# Altium PCB kunpeng_alpha.PcbDoc (part 1 of 2)
Units mm, origin at the board's own origin, x right, y up, seen from the top; angles counter-clockwise.
Board outline 84.46 x 100.59 mm, 2 copper layers (Top Layer, Bottom Layer); 103 components, 68 nets, 354 pads, 153 vias.
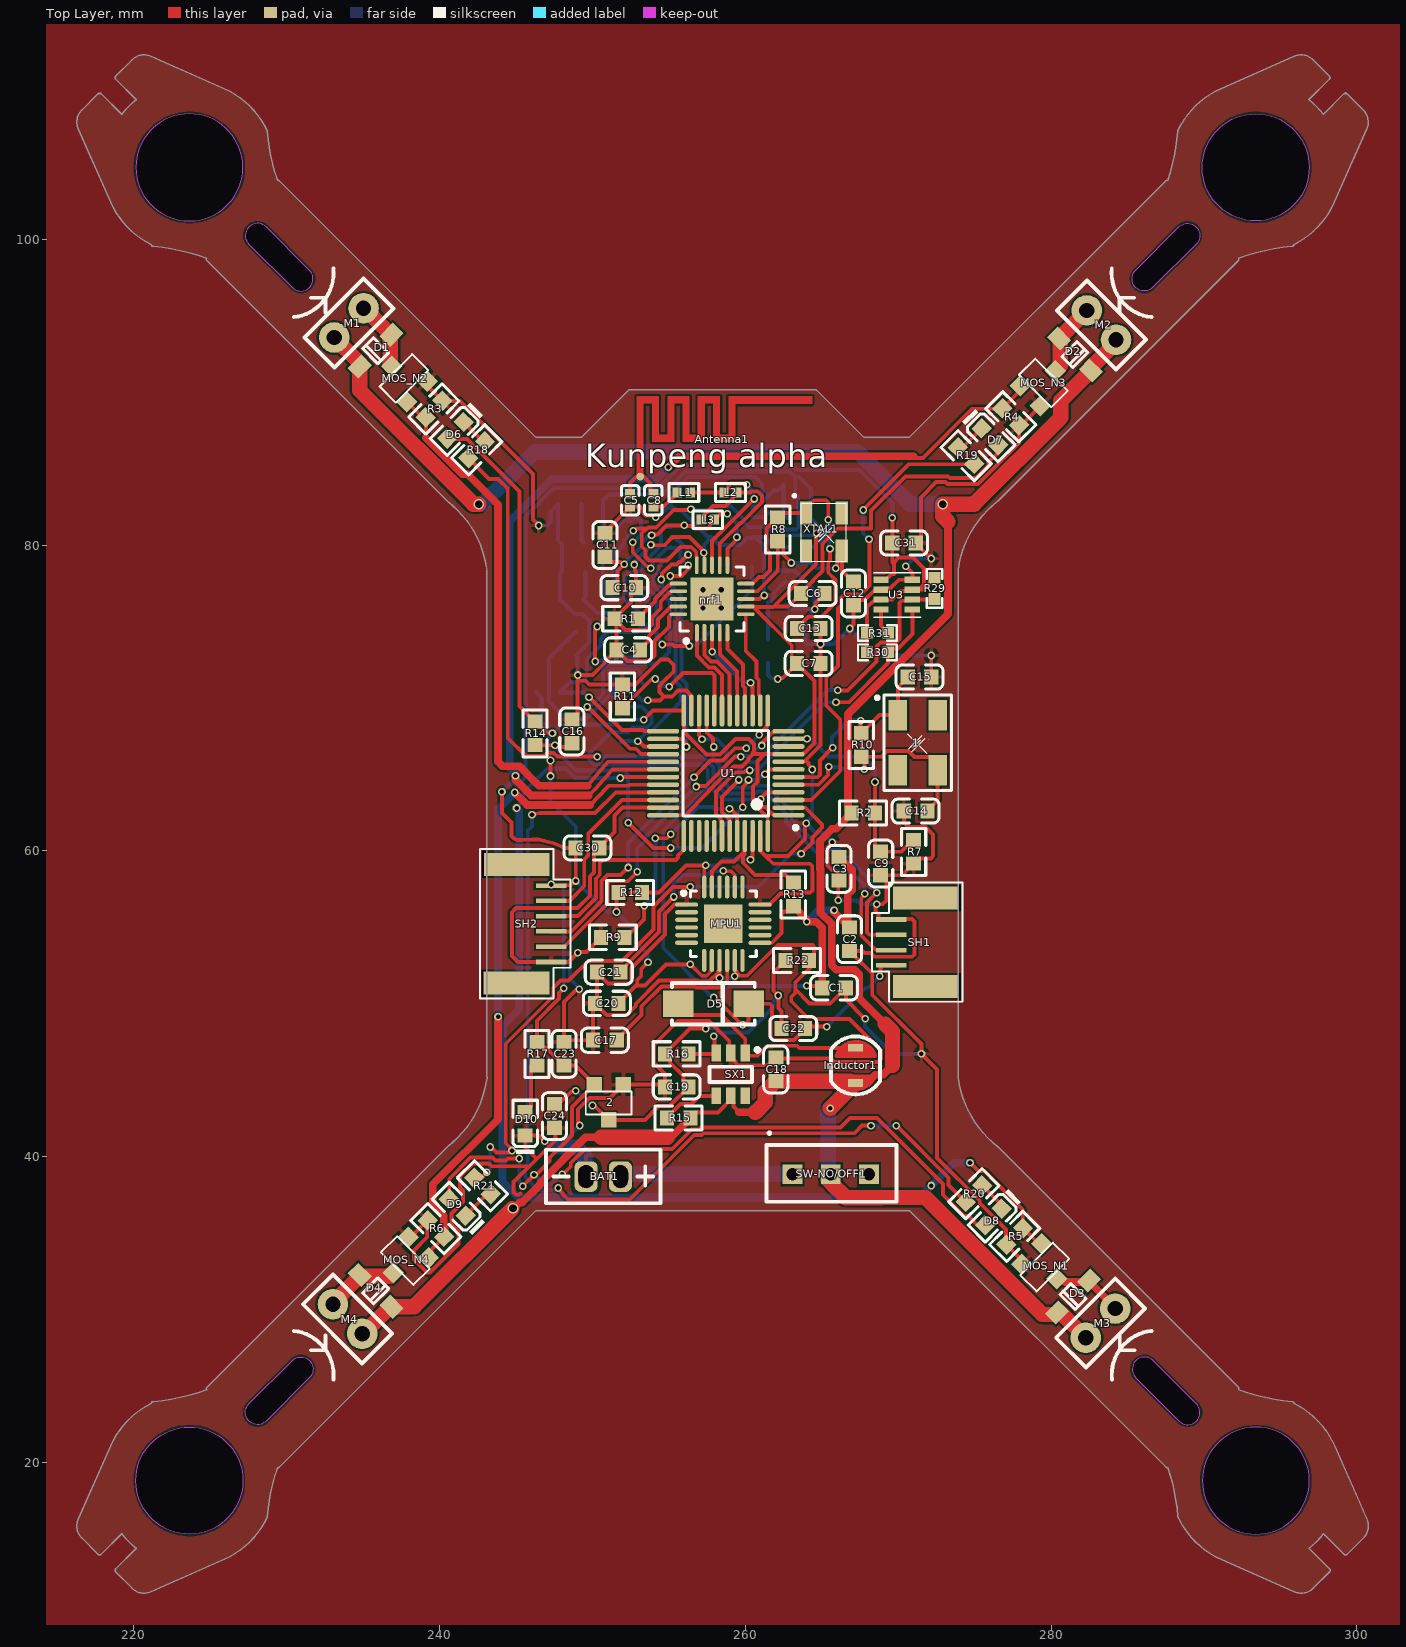
[diagram p0: Top Layer view]
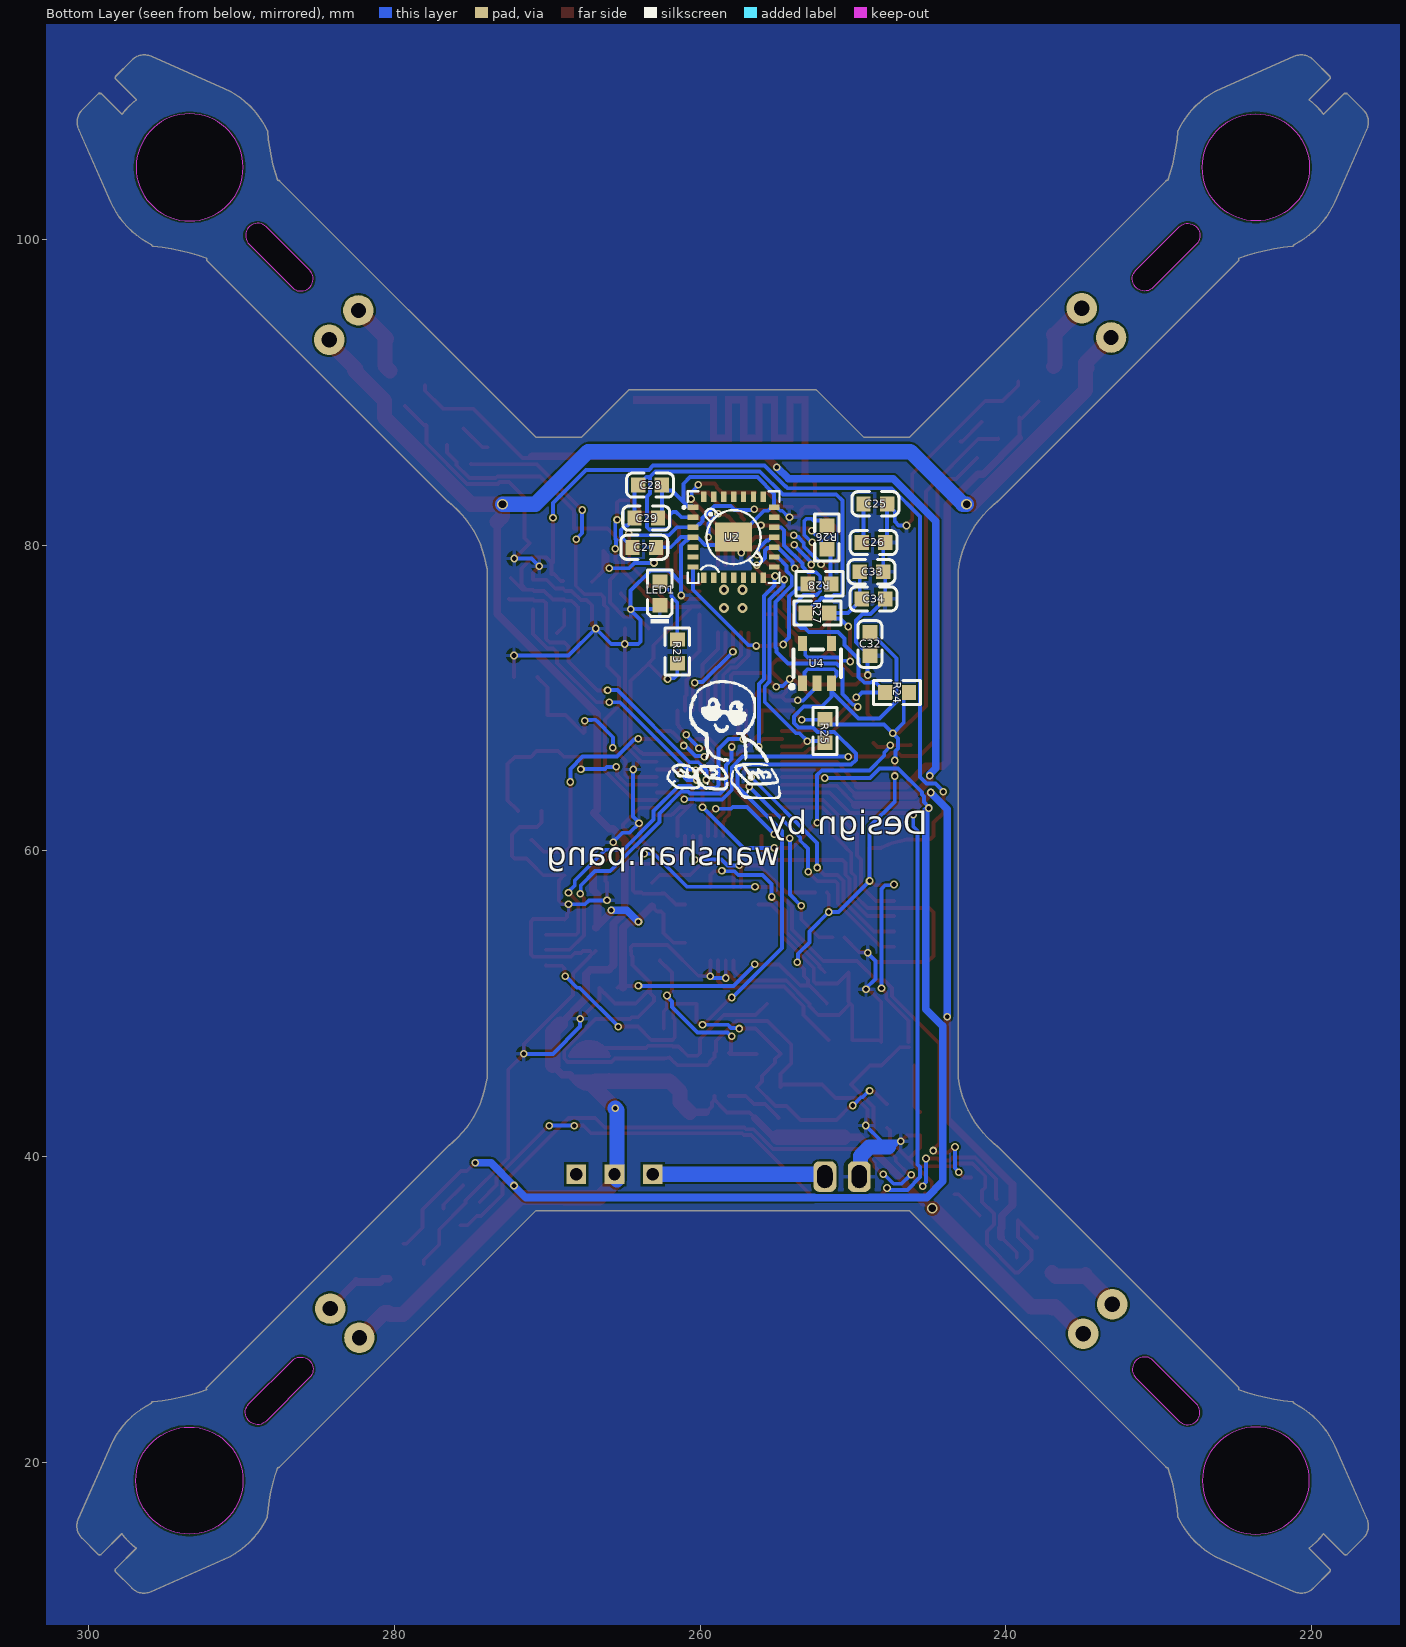
[diagram p1: Bottom Layer view, seen from below]
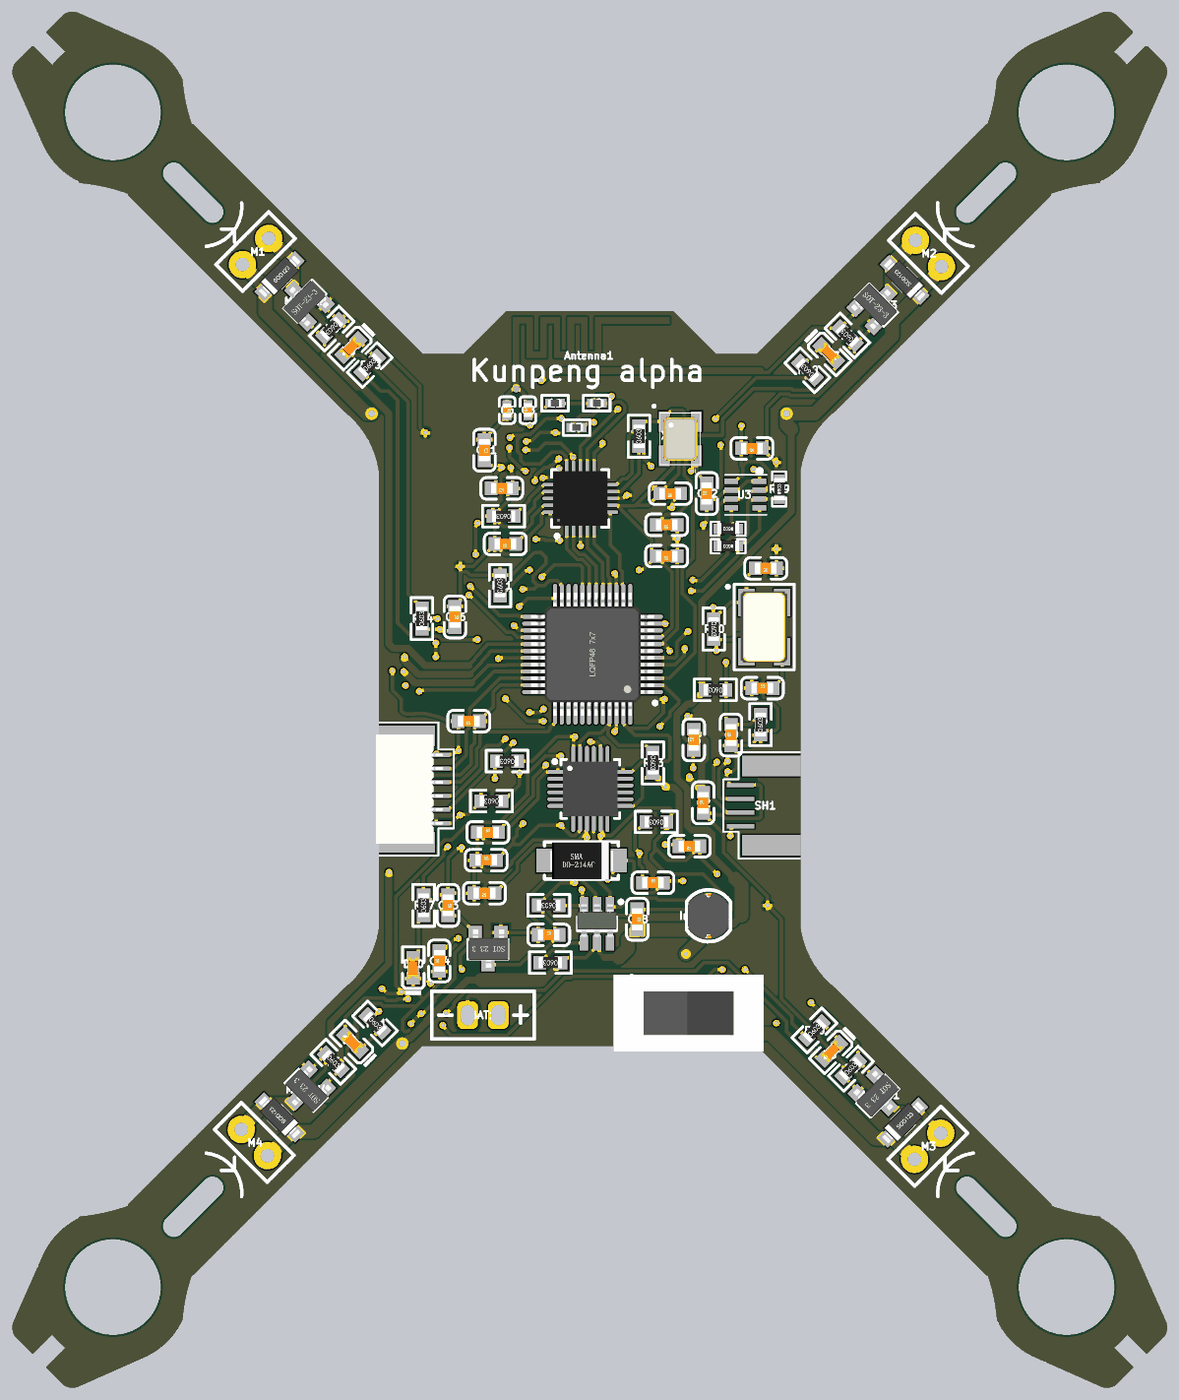
[diagram p3: 3D render of the assembled board from above, using the file's embedded part models]
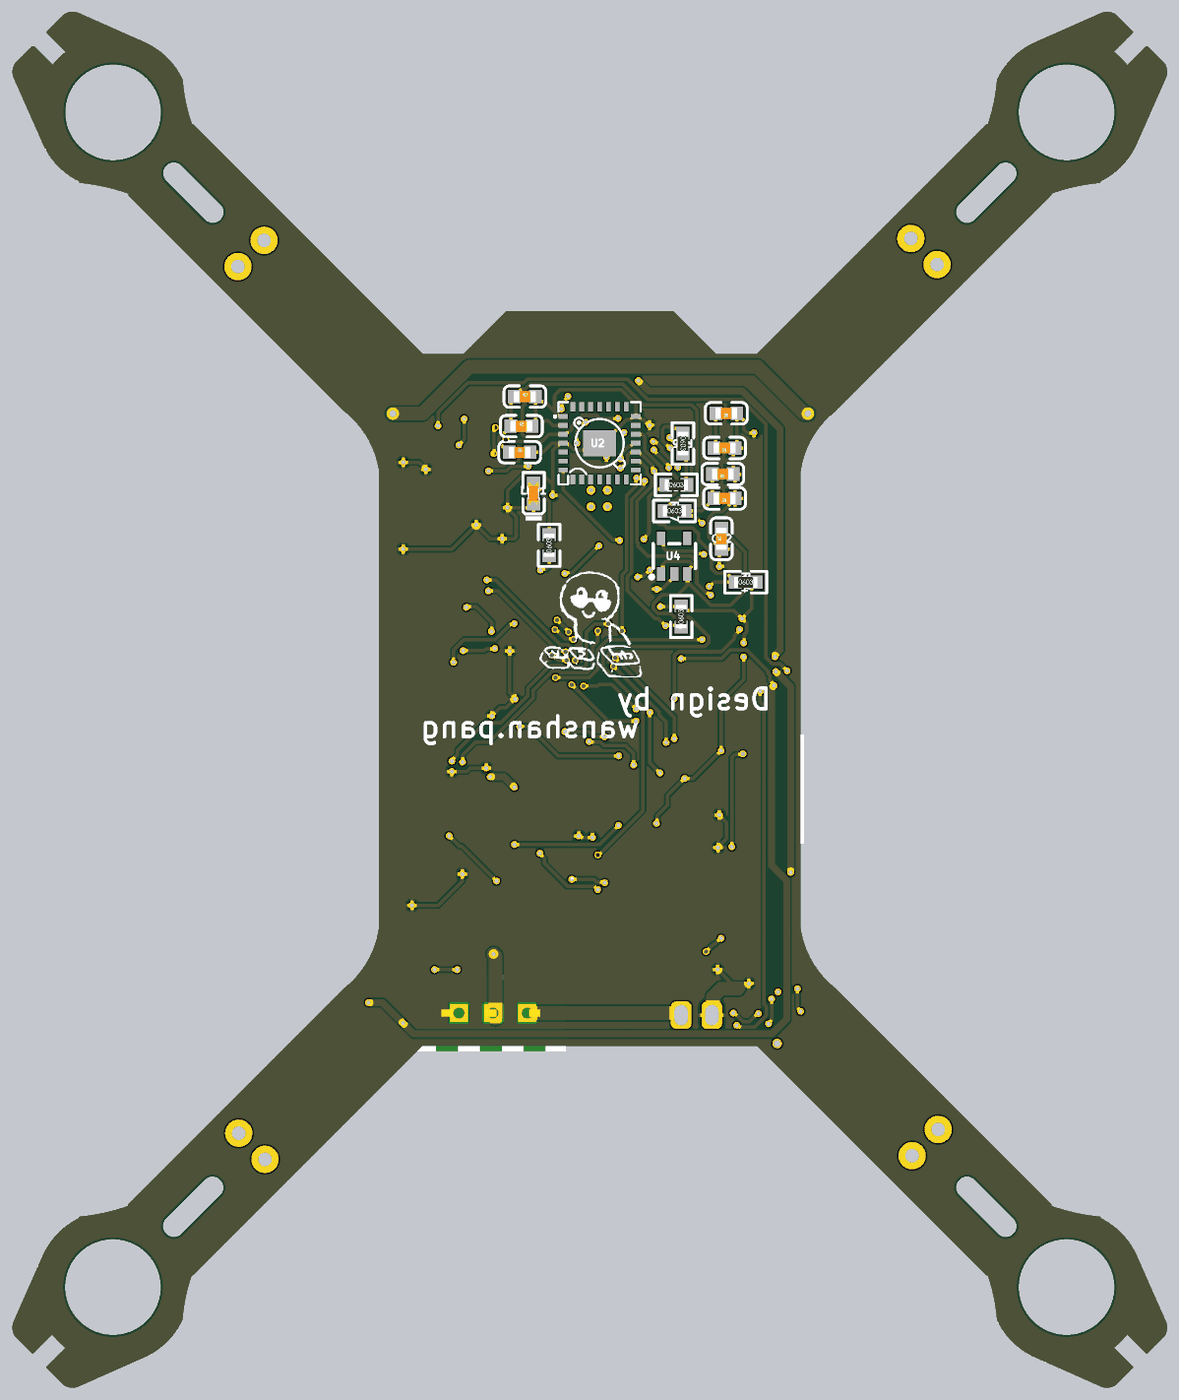
[diagram p4: 3D render of the assembled board from below, using the file's embedded part models]

## Layer stack, top to bottom
Top Solder: solder mask 0.0102, Solder Resist, Dk 3.5
Top Layer: signal copper 0.0356
Dielectric 1: dielectric 0.32, FR-4, Dk 4.8
Bottom Layer: signal copper 0.0356
Bottom Solder: solder mask 0.0102, Solder Resist, Dk 3.5

## Board outline
218.831,13.05 cw(c218.83,13.05) 218.83,13.05 220.183,14.402 cw(c223.658,18.828) 219.232,15.353 217.879,14.001 cw(c217.789,14.091) 217.698,14.001 216.628,15.071 ccw(c216.747,15.188) 216.63,15.07 216.628,15.071 cw(c217.425,15.869) 216.394,16.324 cw(c216.489,16.283) 216.395,16.325 218.512,21.106 cw(c218.631,21.055) 218.513,21.107 cw(c223.658,18.828) 221.167,23.875 cw(c221.294,23.868) 221.283,23.995 ccw(c219.976,38.035) 224.779,24.778 cw(c224.891,24.839) 224.801,24.929 240.527,40.655 cw(c240.617,40.565) 240.54,40.666 ccw(c236.347,46.055) 243.119,45.181 cw(c243.244,45.165) 243.12,45.188 cw(c243.245,45.213) 243.118,45.213 243.118,78.352 ccw(c236.347,77.47) 240.539,82.859 ccw(c240.535,82.854) 240.539,82.86 cw(c240.617,82.96) 240.527,82.87 224.801,98.596 cw(c224.891,98.686) 224.779,98.747 ccw(c219.975,85.49) 221.282,99.53 cw(c221.294,99.657) 221.167,99.65 cw(c223.658,104.696) 218.512,102.417 cw(c218.613,102.462) 218.512,102.419 216.394,107.2 cw(c216.511,107.251) 216.394,107.201 cw(c217.425,107.656) 216.628,108.453 cw(c216.733,108.348) 216.63,108.455 217.699,109.524 cw(c217.789,109.434) 217.879,109.524 ccw(c217.789,109.434) 217.698,109.524 217.879,109.524 219.231,108.171 cw(c223.658,104.696) 220.183,109.123 218.83,110.475 cw(c218.92,110.565) 218.83,110.656 219.901,111.726 cw(c220.698,110.929) 221.154,111.96 cw(c221.111,111.862) 221.156,111.959 225.937,109.842 cw(c225.909,109.779) 225.938,109.841 cw(c223.658,104.696) 228.742,107.108 cw(c228.627,107.053) 228.754,107.063 cw(c228.837,107.069) 228.754,107.063 ccw(c241.819,108.095) 229.421,103.847 cw(c229.453,103.723) 229.543,103.813 246.297,87.059 249.312,87.059 252.385,90.133 cw(c252.476,90.043) 252.476,90.17 264.576,90.17 cw(c264.576,90.043) 264.667,90.133 267.74,87.059 270.74,87.059 287.495,103.814 cw(c287.586,103.724) 287.618,103.847 ccw(c275.22,108.096) 288.285,107.063 ccw(c288.259,107.066) 288.285,107.064 288.285,107.063 cw(c288.412,107.054) 288.297,107.109 cw(c293.381,104.697) 291.101,109.842 cw(c291.149,109.735) 291.102,109.843 295.882,111.96 cw(c295.926,111.867) 295.884,111.961 cw(c296.341,110.93) 297.138,111.727 cw(c297.054,111.643) 297.14,111.725 298.208,110.657 cw(c298.119,110.566) 298.246,110.566 cw(c298.119,110.566) 298.208,110.476 296.856,109.124 cw(c293.381,104.697) 297.807,108.172 299.16,109.525 cw(c299.25,109.435) 299.341,109.525 299.34,109.525 ccw(c299.25,109.435) 299.16,109.525 299.34,109.525 300.411,108.454 ccw(c300.333,108.378) 300.409,108.456 300.411,108.454 cw(c299.614,107.657) 300.741,107.657 cw(c299.614,107.657) 300.645,107.202 cw(c300.618,107.213) 300.644,107.201 ccw(c300.578,107.231) 300.645,107.202 300.644,107.201 298.527,102.42 298.526,102.418 ccw(c298.458,102.45) 298.527,102.42 298.526,102.418 cw(c293.381,104.697) 295.872,99.651 cw(c295.745,99.657) 295.756,99.531 ccw(c297.063,85.491) 292.26,98.748 cw(c292.148,98.687) 292.275,98.687 cw(c292.148,98.687) 292.238,98.597 276.512,82.871 cw(c276.422,82.961) 276.499,82.86 cw(c276.505,82.854) 276.5,82.86 ccw(c276.422,82.961) 276.512,82.871 276.499,82.86 ccw(c280.692,77.471) 273.928,78.401 cw(c273.807,78.36) 273.934,78.36 273.934,45.213 cw(c273.807,45.213) 273.932,45.188 cw(c273.811,45.165) 273.933,45.181 ccw(c280.705,46.055) 276.512,40.666 cw(c276.435,40.565) 276.525,40.655 292.251,24.929 cw(c292.161,24.839) 292.288,24.839 cw(c292.161,24.839) 292.273,24.778 ccw(c297.076,38.035) 295.769,23.995 cw(c295.758,23.868) 295.885,23.875 cw(c293.394,18.828) 298.539,21.107 cw(c298.47,21.076) 298.54,21.106 300.657,16.325 cw(c300.595,16.297) 300.658,16.324 ccw(c300.576,16.288) 300.657,16.325 300.658,16.324 cw(c299.627,15.869) 300.754,15.869 cw(c299.627,15.869) 300.424,15.071 cw(c300.328,15.167) 300.422,15.07 299.353,14.001 cw(c299.263,14.091) 299.173,14.001 297.82,15.353 cw(c293.394,18.828) 296.869,14.402 298.221,13.05 cw(c298.132,12.959) 298.259,12.959 cw(c298.132,12.959) 298.221,12.869 297.151,11.799 ccw(c297.07,11.881) 297.153,11.8 297.151,11.799 cw(c296.354,12.596) 295.897,11.565 cw(c295.958,11.701) 295.895,11.566 291.115,13.683 cw(c291.162,13.788) 291.114,13.684 ccw(c291.233,13.951) 291.115,13.683 291.114,13.684 cw(c293.394,18.828) 288.31,16.417 cw(c288.425,16.471) 288.298,16.462 ccw(c275.233,15.429) 287.631,19.678 cw(c287.598,19.802) 287.508,19.711 270.754,36.466 246.298,36.466 229.544,19.711 cw(c229.454,19.802) 229.421,19.678 ccw(c241.82,15.429) 228.754,16.462 ccw(c228.814,16.457) 228.754,16.461 228.754,16.462 cw(c228.627,16.471) 228.742,16.417 cw(c223.658,18.828) 225.938,13.684 cw(c225.866,13.844) 225.937,13.683 ccw(c225.895,13.78) 225.938,13.684 225.937,13.683 221.157,11.566 221.155,11.565 ccw(c221.107,11.675) 221.157,11.566 221.155,11.565 cw(c220.698,12.596) 219.901,11.799 cw(c220.025,11.922) 219.899,11.8 218.83,12.869 cw(c218.92,12.959)
cut-out: 296.881,104.697 cw(c293.381,104.697) 293.381,101.197 cw(c293.381,104.697) 289.881,104.697 cw(c293.381,104.697) 293.381,108.197 cw(c293.381,104.697)
cut-out: 289.492,99.677 286.664,96.848 cw(c286.098,97.414) 285.532,97.98 288.361,100.808 cw(c288.926,100.243)
cut-out: 220.158,18.828 cw(c223.658,18.828) 223.658,22.328 cw(c223.658,18.828) 227.158,18.828 cw(c223.658,18.828) 223.658,15.328 cw(c223.658,18.828)
cut-out: 227.547,23.849 230.375,26.677 cw(c230.941,26.112) 231.507,25.546 228.678,22.718 cw(c228.113,23.283)
cut-out: 289.505,23.849 286.677,26.677 ccw(c286.111,26.112) 285.545,25.546 288.374,22.718 ccw(c288.939,23.283)
cut-out: 296.894,18.828 ccw(c293.394,18.828) 293.394,22.328 ccw(c293.394,18.828) 289.894,18.828 ccw(c293.394,18.828) 293.394,15.328 ccw(c293.394,18.828)
cut-out: 220.158,104.696 ccw(c223.658,104.696) 223.658,101.196 ccw(c223.658,104.696) 227.158,104.696 ccw(c223.658,104.696) 223.658,108.196 ccw(c223.658,104.696)
cut-out: 227.547,99.676 230.375,96.847 ccw(c230.941,97.413) 231.507,97.979 228.678,100.807 ccw(c228.112,100.242)

## Design rules (kind name [scope] priority, off if disabled: settings)
Clearance [All] p1: gap=0.125 ignorepadtopadclearanceinfootprint=FALSE
PolygonConnect [All] p1: connectstyle=Relief reliefconductorwidth=0.254 reliefentries=4 polygonreliefangle="90 Angle" airgapwidth=0.254
RoutingVias [All] p1: holewidth=0.3 width=0.5 viastyle="Through Hole" minholewidth=0.3 minwidth=0.5 maxholewidth=0.3 maxwidth=0.5
SolderMaskExpansion [All] p1: expansion=0.102 istentingtop=FALSE
Width [All] p1: maxlimit=1 minlimit=0.254 preferedwidth=0.254
30 further rules are at their usual default settings.

## Classes and differential pairs
component class SPL06: C30 C31 R29 R30 R31 U3
component class Sheet1: C25 C26 C27 C28 C29 C32 C33 C34 LED1 R23 R24 R25 R26 R27 R28 U2 U4
component class rotor_V2.0: 1 2 Antenna1 BAT1 C1 C2 C3 C4 C5 C6 C7 C8 C9 C10 C11 C12 C13 C14 C15 C16 C17 C18 C19 C20 C21 C22 C23 C24 D1 D2 D3 D4 D5 D6 D7 D8 D9 D10 Inductor1 L1 L2 L3 M1 M2 M3 M4 MOS_N1 MOS_N2 MOS_N3 MOS_N4 MPU1 nrf1 R1 R2 R3 R4 R5 R6 R7 R8 R9 R10 R11 R12 R13 R14 R15 R16 R17 R18 R19 R20 R21 R22 SH1 SH2 SW-NO/OFF1 SX1 U1 XTAL1
